# Altium PCB BetaPCB.PcbDoc (part 1 of 2) (continued)
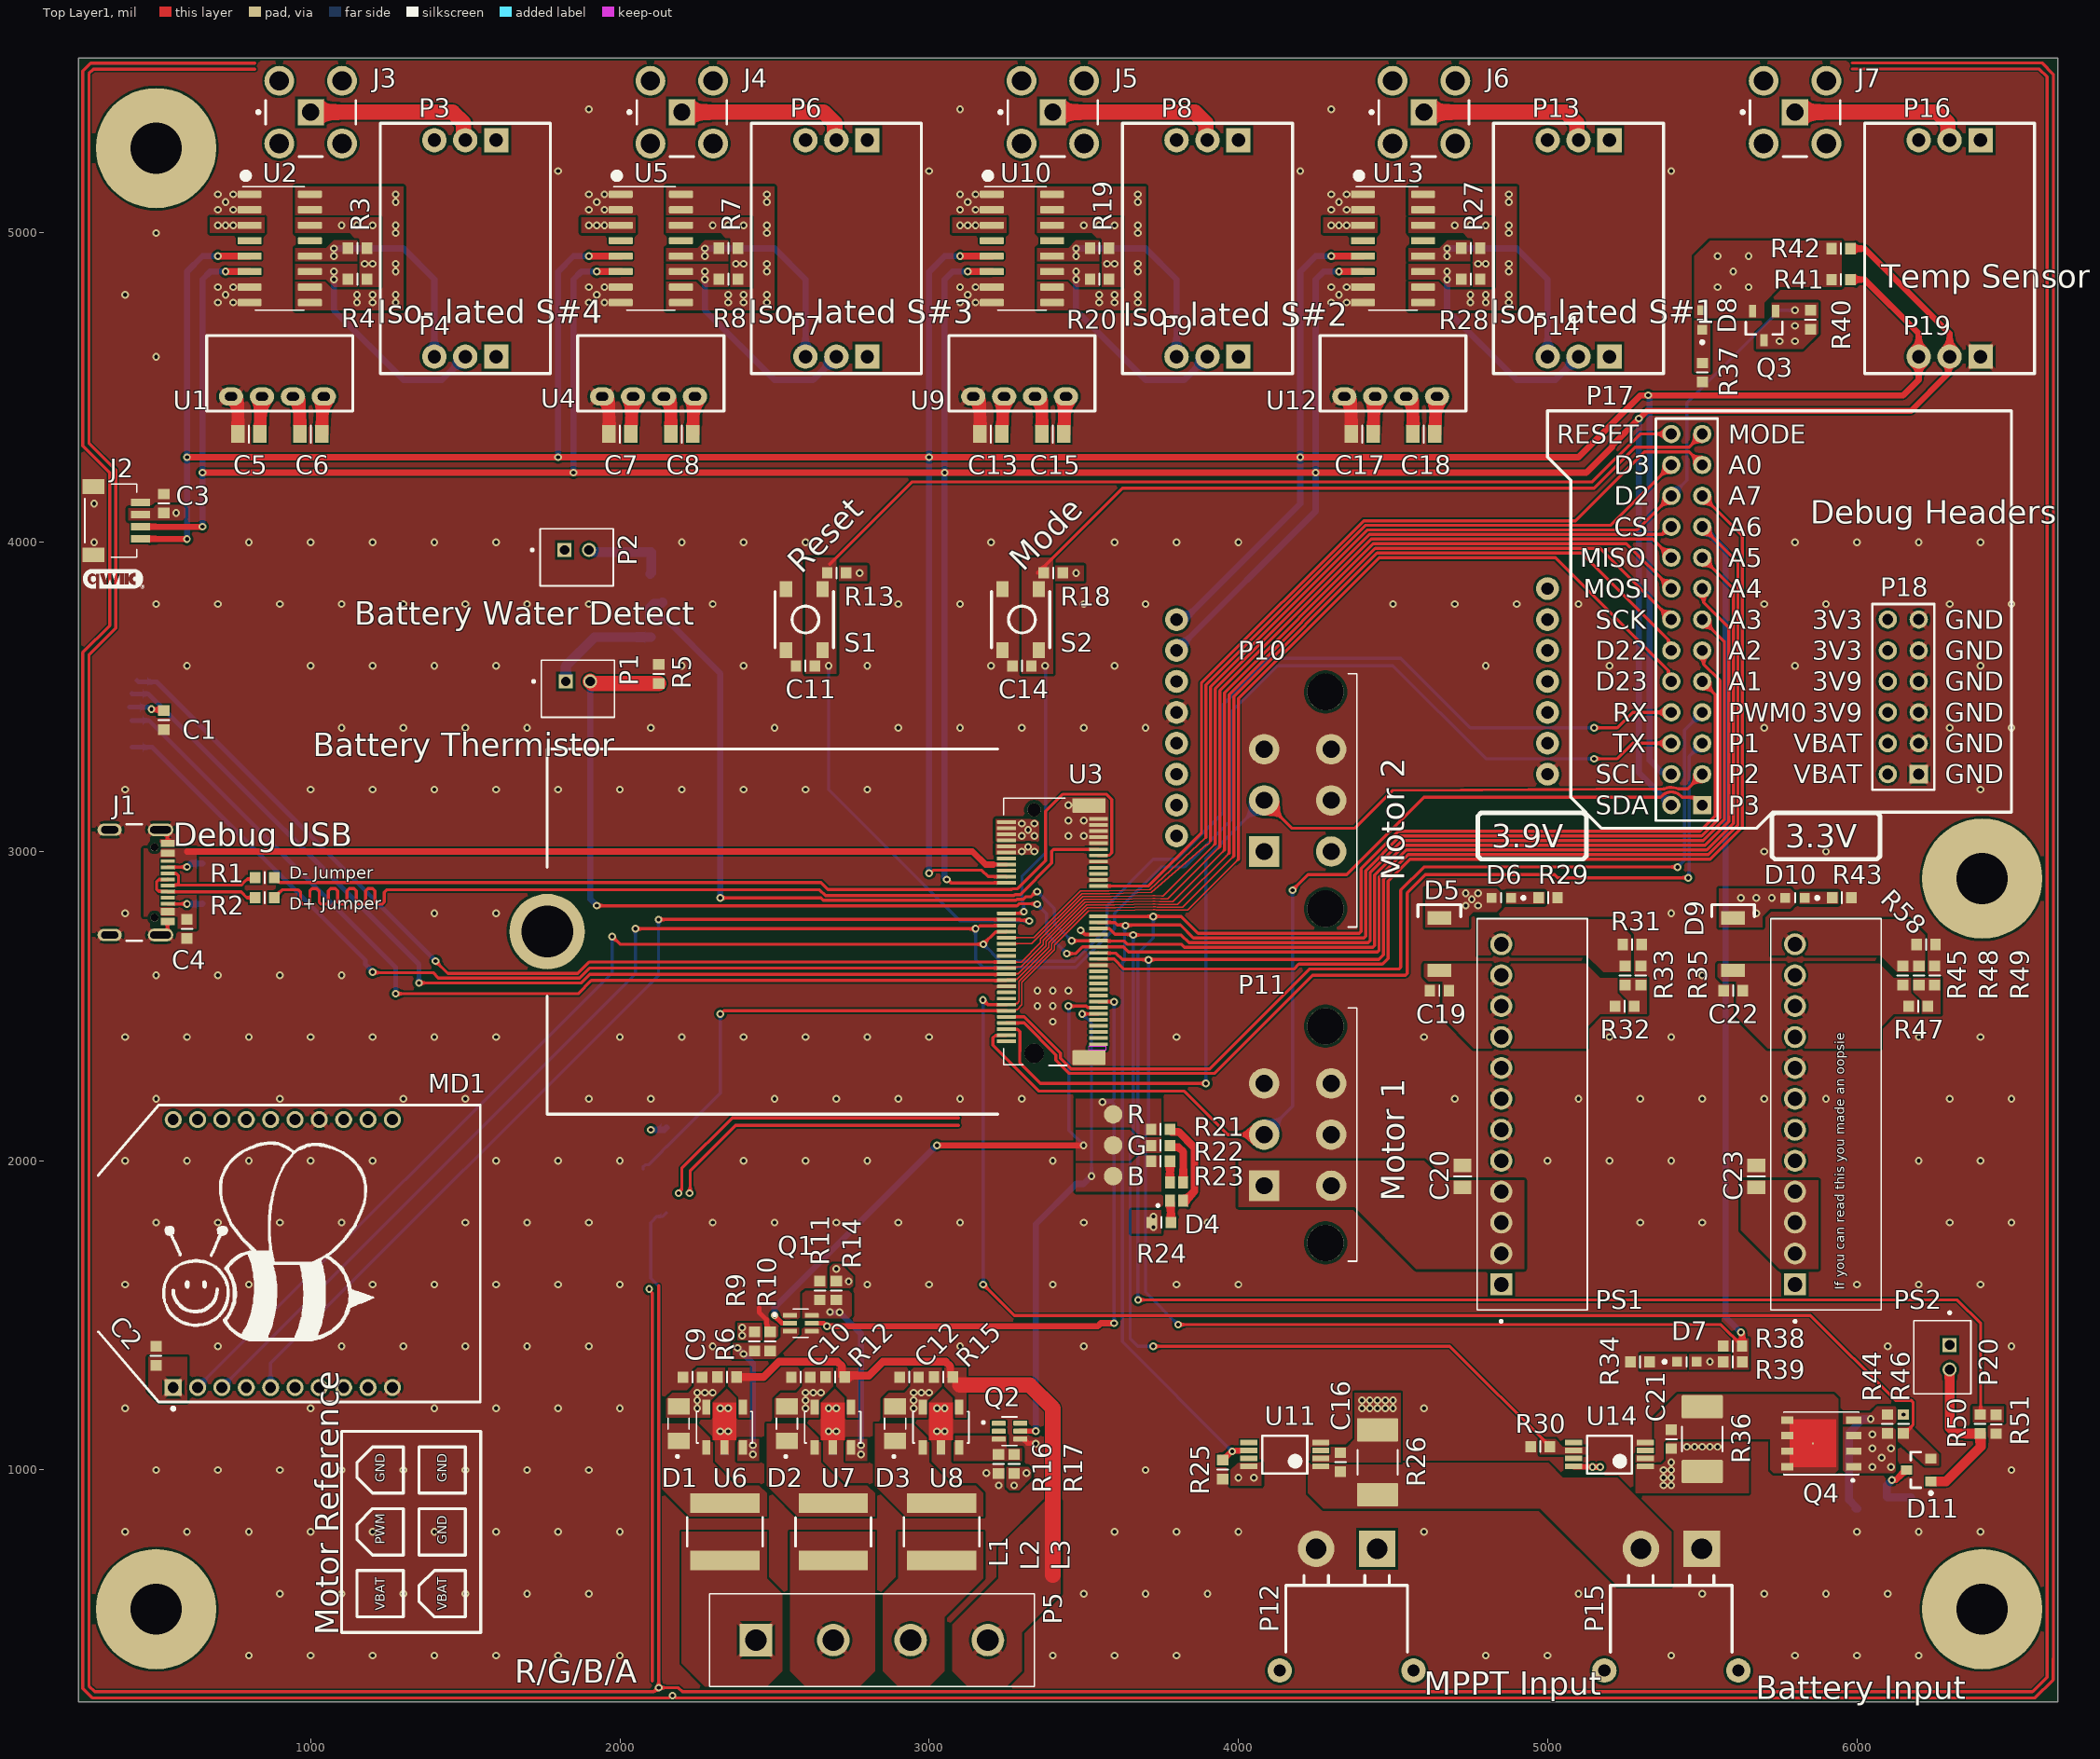
[diagram p0: Top Layer1 view]
## Components (designator, comment, footprint, x,y, rotation, side; value= is the part's Value field where it differs from the comment) (continued)
R24 "Resistor" "0603 Resistor" 3750,1800 r0 top value=0R (schematic designator R46)
R25 "Resistor" "0603 Resistor" 3950,1000 r90 top value=20k (schematic designator R20)
R26 "Resistor" RESC6331X70N 4450,1025 r270 top value=10m (schematic designator R18)
R27 "Resistor" "0603 Resistor" 4750,4950 r0 top value=10k (schematic designator R26)
R28 "Resistor" "0603 Resistor" 4750,4850 r0 top value=10k (schematic designator R27)
R29 "Resistor" "0603 Resistor" 5000,2850 r0 top value=330R (schematic designator R47)
R30 "Resistor" "0603 Resistor" 4975,1075 r0 top value=100k (schematic designator R12)
R31 "Resistor" "0603 Resistor" 5275,2700 r180 top value=113k
R32 "Resistor" "0603 Resistor" 5250,2500 r180 top value=75k (schematic designator R19)
R33 "Resistor" "0603 Resistor" 5250,2600 r270 top value=10k (schematic designator R21)
R34 "Resistor" "0603 Resistor" 5300,1350 r180 top value=5.1k (schematic designator R30)
R35 "Resistor" "0603 Resistor" 5301,2600 r270 top value=32.8k (schematic designator R22)
R36 "Resistor" RESC6331X70N 5500,1100 r90 top value=1m (schematic designator R8)
R37 "Resistor" "0603 Resistor" 5500,4550 r270 top value=330R (schematic designator R49)
R38 "Resistor" "0603 Resistor" 5597,1400 r0 top value=20k (schematic designator R17)
R39 "Resistor" "0603 Resistor" 5600,1350 r180 top value=100k (schematic designator R14)
R40 "Resistor" "0603 Resistor" 5850.63,4718.03 r90 top value=50k (schematic designator R48)
R41 "Resistor" "0603 Resistor" 5950,4850 r180 top value=10k (schematic designator R37)
R42 "Resistor" "0603 Resistor" 5950,4950 r180 top value=10k (schematic designator R36)
R43 "Resistor" "0603 Resistor" 5950,2850 r0 top value=330R (schematic designator R31)
R44 "Resistor" "0603 Resistor" 6098,1150 r270 top value=50k (schematic designator R5)
R45 "Resistor" "0603 Resistor" 6148,2600 r270 top value=DNP (schematic designator R6)
R46 "Resistor" "0603 Resistor" 6150,1150 r270 top value=10k (schematic designator R13)
R47 "Resistor" "0603 Resistor" 6200,2500 r180 top value=DNP (schematic designator R7)
R48 "Resistor" "0603 Resistor" 6200,2600 r270 top value=DNP (schematic designator R10)
R49 "Resistor" "0603 Resistor" 6251,2600 r270 top value=DNP (schematic designator R15)
R50 "Resistor" "0603 Resistor" 6398,1150 r270 top value=75k (schematic designator R9)
R51 "Resistor" "0603 Resistor" 6451,1147 r90 top value=20k (schematic designator R11)
R52 "Resistor" "0603 Resistor" 2150,1800 r90 bottom value=50k (schematic designator R55)
R53 "Resistor" "0603 Resistor" 2150,2075 r90 bottom value=50k
R54 "Resistor" "0603 Resistor" 2100,4000 r270 bottom value=50k (schematic designator R56)
R55 "Resistor" "0603 Resistor" 2100,3725 r270 bottom value=50k (schematic designator R54)
R56 "Resistor" "0603 Resistor" 650,2800 r90 bottom value=5.1k (schematic designator R4)
R57 "Resistor" "0603 Resistor" 649.37,2929.45 r90 bottom value=5.1k (schematic designator R3)
R58 "Resistor" "0603 Resistor" 6225,2700 r180 top value=DNP
R59 "Resistor" "0603 Resistor" 6174.37,879.45 r90 bottom value=10k
S1 "Switch Normally Opened" TL3313AF250QG 2600,3750 r90 top
S2 "Switch Normally Opened" TL3313AF250QG 3300,3750 r90 top
U1 "B0303S-1WR3" B0303S-1WR3 900,4550 r0 top (schematic designator U17)
U2 "MAX14933ASE+T" SOIC127P600X175-16N 900,4950 r0 top (schematic designator U16)
U3 "B402" "B402 Full" 3339.57,2740.94 r270 top (schematic designator U1)
U4 "B0303S-1WR3" B0303S-1WR3 2100,4550 r0 top (schematic designator U15)
U5 "MAX14933ASE+T" SOIC127P600X175-16N 2100,4950 r0 top (schematic designator U14)
U6 "AL8861Y-13" CONV_AL8861Y-13 2339.99,1150 r90 top (schematic designator U7)
U7 "AL8861Y-13" CONV_AL8861Y-13 2689.99,1150 r90 top (schematic designator U8)
U8 "AL8861Y-13" CONV_AL8861Y-13 3039.99,1150 r90 top (schematic designator U9)
U9 "B0303S-1WR3" B0303S-1WR3 3300,4550 r0 top (schematic designator U13)
U10 "MAX14933ASE+T" SOIC127P600X175-16N 3300,4950 r0 top (schematic designator U12)
U11 "INA139" INA139-Q1 4150,1050 r180 top (schematic designator U5)
U12 "B0303S-1WR3" B0303S-1WR3 4500,4550 r0 top (schematic designator U11)
U13 "MAX14933ASE+T" SOIC127P600X175-16N 4500,4950 r0 top (schematic designator U10)
U14 "INA139" INA139-Q1 5200,1050 r180 top (schematic designator U3)
U15 "U-Blox NEO-M8U Breakout" "U-Blox NEO-M8U" 3750,2500 r90 bottom (schematic designator U18)

## Footprints (in the part's own frame and the unit in brackets; to place one, negate y for a bottom-side part, rotate by r counter-clockwise, add the part's x,y. Pads: shape width x height; smd on the part's side, far side on the other; paste and mask are expansions set on the pad)
"1x3 Header" [mm] "Connector; Header; 3 Position"
  rect 2x2 hole 1.1: 1(0,0)
  round 2 hole 1.1: 2(2.54,0) 3(5.08,0)
  body extent -1.27,-1.27 6.35,1.27, height 7.01
"0603 Resistor" [mm]
  rect 0.87x0.93 smd: 1(-0.748,0.016) 2(0.812,0.016)
  silkscreen extent 0.03,-0.43 0.03,0.46, body extent -0.8,-0.4 0.8,0.4, height 0.45
ANTC1608X90N [mm]
  rect 0.87x0.93 smd: 1(-0.78,0) 2(0.78,0)
  silkscreen extent 0,-0.44 0,0.44, body extent -0.8,-0.44 0.8,0.46, height 0.81
B0303S-1WR3 [mm]
  oval 2x1.5 hole 0.7 slot 1 at 0 deg: 1(-4,-2) 2(-1.46,-2) 3(1.08,-2) 4(3.62,-2)
  silkscreen extent -6,-3.2 6,3, body extent -6,-3 6,3, height 10
"B402 Full" [mm]
  rrect15% 0.3x1.55 smd: 1(-9.25,5.275) 2(-9,-2.275) 3(-8.75,5.275) 4(-8.5,-2.275) 5(-8.25,5.275) 6(-8,-2.275) 7(-7.75,5.275) 8(-7.5,-2.275) 9(-7.25,5.275) 10(-7,-2.275) 11(-6.75,5.275) 12(-6.5,-2.275) 13(-6.25,5.275) 14(-6,-2.275) 15(-5.75,5.275) 16(-5.5,-2.275) 17(-5.25,5.275) 18(-5,-2.275) 19(-4.75,5.275) 20(-4.5,-2.275) 21(-4.25,5.275) 22(-4,-2.275) 23(-3.75,5.275) 32(-1.5,-2.275) 33(-1.25,5.275) 34(-1,-2.275) 35(-0.75,5.275) 36(-0.5,-2.275) 37(-0.25,5.275) 38(0,-2.275) 39(0.25,5.275) 40(0.5,-2.275) 41(0.75,5.275) 42(1,-2.275) 43(1.25,5.275) 44(1.5,-2.275) 45(1.75,5.275) 46(2,-2.275) 47(2.25,5.275) 48(2.5,-2.275) 49(2.75,5.275) 50(3,-2.275) 51(3.25,5.275) 52(3.5,-2.275) 53(3.75,5.275) 54(4,-2.275) 55(4.25,5.275) 56(4.5,-2.275) 57(4.75,5.275) 58(5,-2.275) 59(5.25,5.275) 60(5.5,-2.275) 61(5.75,5.275) 62(6,-2.275) 63(6.25,5.275) 64(6.5,-2.275) 65(6.75,5.275) 66(7,-2.275) 67(7.25,5.275) 68(7.5,-2.275) 69(7.75,5.275) 70(8,-2.275) 71(8.25,5.275) 72(8.5,-2.275) 73(8.75,5.275) 74(9,-2.275) 75(9.25,5.275)
  round 6.2 hole 4.25: Mech(0,-40)
  rrect15% 1.2x2.75 smd: S1(-10.35,4.5) S2(10.35,4.5)
  round 1.1 hole 1.1 unplated: ""(-10,0)
  round 1.6 hole 1.6 unplated: ""(10,0)
  silkscreen extent -15,-40 15,2.7, body extent -15,-40 15,5.85, height 6.2
CAPC2012X145N [mm]
  rect 1.11x1.47 smd: 1(-0.9,0) 2(0.9,0)
  silkscreen extent 0,-0.71 0,0.71, body extent -1,-0.72 1,0.73, height 1.26
CONV_AL8861Y-13 [mm]
  rect 1.2x0.68 smd: 1(-1.945,1.543) 3(-1.945,-1.457) 4(1.355,-1.457) 5(1.355,1.543)
  rect 1.2x0.68 smd paste-2 mask+0: 2(-1.945,0.043)
  Top Layer1 region: 1.705,-0.922 -1.345,-0.922 -1.345,-0.297 -2.545,-0.297 -2.545,0.383 -1.345,0.383 -1.345,1.008 1.705,1.008
  silkscreen extent -1.59,-2.26 1.01,2.34, body extent -2.25,-2.25 2.25,2.25, height 1.55
CONV_K7803-3AR3 [mm]
  rect 1.8x1.8 hole 1.2: 1(-13.97,2.545)
  round 1.8 hole 1.2: 2(-11.43,2.545) 3(-8.89,2.545) 4(-6.35,2.545) 5(-3.81,2.545) 6(-1.27,2.545) 7(1.27,2.545) 8(3.81,2.545) 9(6.35,2.545) 10(8.89,2.545) 11(11.43,2.545) 12(13.97,2.545)
  silkscreen extent -17.1,-4.52 16.07,4.52
DIO_SS26FL [mm]
  rect 1.34x1.8 smd: 1(-1.43,0) 2(1.43,0)
  silkscreen extent -2.8,-0.86 0.44,0.86, body extent -1.93,-0.9 1.93,0.9, height 1.35
FP-150060RS75000-MFG [mm]
  rect 0.8x0.8 smd paste+0 mask+0: 1(-0.8,0) 2(0.8,0)
  silkscreen extent -1.95,-0.12 -1.7,0.12, body extent -1.3,-0.55 1.3,0.55, height 0.25
FP-NR6028-MFG [mm]
  rect 1.6x5.7 smd paste+0 mask+0: 1(-2.35,0) 2(2.35,0)
  silkscreen extent -1.17,-3.1 1.17,3.1, body extent -3.25,-3.2 3.25,3.2, height 0.25
FP-PCB_SMAFRA_HT-MFG [mm]
  rect 2.15x2.15 hole 1.4 paste-1000 mask+0: 1(0,-4.05)
  round 2.45 hole 1.6 paste-1000 mask+0: 2(-2.575,-1.475) 3(2.575,-1.475) 4(-2.575,-6.625) 5(2.575,-6.625)
  silkscreen extent -4.42,-7.7 3.7,-3.08, body extent -3.9,-7.95 3.9,7.8, height 0.25
FP-XBP9B-DMUTB002-MFG [mm]
  rect 1.4x1.4 hole 0.9 paste-1000 mask+0: 1(-11,8.75)
  round 1.4 hole 0.9 paste-1000 mask+0: 2(-11,6.75) 3(-11,4.75) 4(-11,2.75) 5(-11,0.75) 6(-11,-1.25) 7(-11,-3.25) 8(-11,-5.25) 9(-11,-7.25) 10(-11,-9.25) 11(11,-9.25) 12(11,-7.25) 13(11,-5.25) 14(11,-3.25) 15(11,-1.25) 16(11,0.75) 17(11,2.75) 18(11,4.75) 19(11,6.75) 20(11,8.75)
  silkscreen extent -12.86,-16.47 12.19,14.92, body extent -12.29,-16.57 12.29,16.57, height 0.25
GCT_MEM2051-00-195-00-A [mm]
  rect 0.8x1.5 smd: 1(1.94,-3.66) 2(0.84,-3.26) 3(-0.26,-3.66) 4(-1.36,-3.86) 5(-2.46,-3.66) 6(-3.56,-3.86) 7(-4.66,-3.66) 8(-5.76,-3.66)
  rect 1x0.95 smd: 9(-3.56,7.425)
  rect 1.3x1.4 smd: P1(-4.95,7.2) P2(0.75,7.2)
  rect 1.4x1.778 smd mask+0.025: P3(6.6,-6.95)
  rect 1.4x1.778 smd mask+0.051: P4(-6.55,-5.95)
  silkscreen extent -7,-7.6 7,7.6, body extent -6.98,-7.65 7.12,7.65, height 1.96
GCT_USB4105-GF-A [mm]
  rect 0.6x1.15 smd: A1_B12(-3.2,4.755) A4_B9(-2.4,4.755) B1_A12(3.2,4.755) B4_A9(2.4,4.755)
  rect 0.3x1.15 smd: A5(-1.25,4.755) A6(-0.25,4.755) A7(0.25,4.755) A8(1.25,4.755) B5(1.75,4.755) B6(0.75,4.755) B7(-0.75,4.755) B8(-1.75,4.755)
  oval 1.05x2.1 hole 0.6 slot 1.7 at 90 deg: S1(-4.32,4.18) S4(4.32,4.18)
  oval 1x2 hole 0.6 slot 1.4 at 90 deg: S2(-4.32,0) S3(4.32,0)
  round 0.65 hole 0.65 unplated: ""(-2.89,3.68) ""(2.89,3.68)
  silkscreen extent -4.79,1.4 4.79,2.65, body extent -4.79,-2.6 4.79,5.11, height 3.32
HDR2X6 [mm] "Connector; Header; 6x2 Position"
  rect 1.5x1.5 hole 0.9: 1(0,0)
  round 1.5 hole 0.9: 2(0,2.54) 3(2.54,0) 4(2.54,2.54) 5(5.08,0) 6(5.08,2.54) 7(7.62,0) 8(7.62,2.54) 9(10.16,0) 10(10.16,2.54) 11(12.7,0) 12(12.7,2.54)
  silkscreen extent -1.27,-1.27 13.97,3.81
HDR2X13 [mm] "Connector; Header; 13x2 Position"
  rect 1.5x1.5 hole 0.9: 1(0,0)
  round 1.5 hole 0.9: 2(0,2.54) 3(2.54,0) 4(2.54,2.54) 5(5.08,0) 6(5.08,2.54) 7(7.62,0) 8(7.62,2.54) 9(10.16,0) 10(10.16,2.54) 11(12.7,0) 12(12.7,2.54) 13(15.24,0) 14(15.24,2.54) 15(17.78,0) 16(17.78,2.54) 17(20.32,0) 18(20.32,2.54) 19(22.86,0) 20(22.86,2.54) 21(25.4,0) 22(25.4,2.54) 23(27.94,0) 24(27.94,2.54) 25(30.48,0) 26(30.48,2.54)
  silkscreen extent -1.27,-1.27 31.75,3.81
INA139-Q1 [mm] "TSOP, 8-Leads, Body 3.00x4.40mm, Pitch 0.65mm, IPC Medium Density"
  rect 1.4x0.45 smd mask+0.127: 1(-2.95,0.975) 2(-2.95,0.325) 3(-2.95,-0.325) 4(-2.95,-0.975) 5(2.95,-0.975) 6(2.95,-0.325) 7(2.95,0.325) 8(2.95,0.975)
  silkscreen extent -1.85,-1.55 1.85,1.55, body extent -2.25,-1.55 2.25,1.55, height 0.25
JST_SM04B-SRSS-TB(LF)(SN) [mm]
  rect 0.6x1.55 smd: 1(-1.5,0) 2(-0.5,0) 3(0.5,0) 4(1.5,0)
  rect 1.2x1.8 smd: S1(-2.8,-3.875) S2(2.8,-3.875)
  silkscreen extent -3,-4.72 5.57,0.31, body extent -3.05,-4.51 2.95,0.44, height 2.96
LED_CLMVC-FKA-CL1D1L71BB7C3C3 [mm]
  rect 1x0.8 smd: 1(-0.75,0.55) 2(0.75,0.55) 3(0.75,-0.55) 4(-0.75,-0.55)
  silkscreen extent -1.24,1.42 -1.04,1.62, body extent -1,-1 1,1, height 0.5
ONSC-SOT-23-3-318-08_V [mm] "SOT23, 3-Leads, Body 2.92x1.3mm, Pitch 0.95mm"
  rect 0.9x0.8 smd: 1(-1,0.95) 2(-1,-0.95) 3(1,0)
  silkscreen extent -1.13,-1.46 0.65,2.02, body extent -0.65,-1.46 0.65,1.46, height 1.11
RESC6331X70N [mm]
  rrect7% 1.9x3.37 smd: 1(-2.66,0) 2(2.66,0)
  silkscreen extent -1.02,-1.65 1.02,1.65, body extent -3.18,-1.58 3.18,1.58, height 0.75
SIR165DP [mm]
  rect 1.27x0.61 smd: 1(-2.67,1.905) 2(-2.67,0.635) 3(-2.67,-0.635) 4(-2.67,-1.905)
  rect 1.02x0.61 smd: 5(2.795,-1.905) 6(2.795,-0.635) 7(2.795,0.635) 8(2.795,1.905)
  rect 0.15x0.15 smd paste+1.125 mask+1.88: 9(0.69,0)
  Top Layer1 region: 2.595,-1.955 -1.215,-1.955 -1.215,1.955 2.595,1.955
  silkscreen extent -3.08,-2.58 3.08,3.14, body extent -3.07,-2.58 3.07,2.58, height 1.12
SODFL470X110-2N [mm] "SODFL, 2-Leads, Body 2.50x4.70mm, IPC Medium Density"
  rect 1.1x1.95 smd: 1(2.15,0) 2(-2.15,0)
  silkscreen extent -3.25,-1.75 -2.25,1.75, body extent -2.35,-1.35 2.35,1.35, height 1.1
SOIC127P600X175-16N [mm]
  rrect25% 1.97x0.59 smd: 1(-2.475,4.445) 2(-2.475,3.175) 3(-2.475,1.905) 4(-2.475,0.635) 5(-2.475,-0.635) 6(-2.475,-1.905) 7(-2.475,-3.175) 8(-2.475,-4.445) 9(2.475,-4.445) 10(2.475,-3.175) 11(2.475,-1.905) 12(2.475,-0.635) 13(2.475,0.635) 14(2.475,1.905) 15(2.475,3.175) 16(2.475,4.445)
  silkscreen extent -3.05,-5.06 2.03,6.22, body extent -3,-4.95 3,4.95, height 1.75
SOT23-3 [mm] "SOT23, 3-Leads, Body 2.92x2.45mm, Pitch 0.95mm, IPC Medium Density"
  rect 1x0.6 smd: 1(-1.2,0.95) 2(-1.2,-0.95) 3(1.2,0)
  silkscreen extent -0.3,-1.5 0.7,1.5, body extent -0.7,-1.52 0.7,1.52, height 1.1
SOT65P210X110-6N [mm]
  rrect25% 1.15x0.4 smd: 1(-0.89,0.65) 2(-0.89,0) 3(-0.89,-0.65) 4(0.89,-0.65) 5(0.89,0) 6(0.89,0.65)
  silkscreen extent -2.26,-1.17 0.63,1.17, body extent -1.11,-1 1.11,1, height 1.2
TE_6-440054-2 [mm]
  rect 1.15x1.15 hole 0.8: 1(0,0)
  round 1.15 hole 0.8: 2(2.007,0)
  silkscreen extent -2.75,-2.95 4.01,1.75, body extent -1.98,-2.92 4.02,1.78, height 6.06
TE_350761-4 [mm]
  rect 2.67x2.67 hole 1.78: 1(0,0)
  round 2.67 hole 1.78: 2(0,-6.35) 3(0,-12.7) 4(0,-19.05)
  silkscreen extent -3.81,-22.86 3.81,3.81, body extent -5.08,-25.4 3.81,6.35, height 14.83
TE_1586039-6 [mm]
  rect 2.5x2.5 hole 1.4: 1(0,0)
  round 2.5 hole 1.4: 2(0,-5.5) 3(4.2,0) 4(4.2,-5.5) 5(8.4,0) 6(8.4,-5.5)
  round 3 hole 3 unplated: ""(-4.7,-5.04) ""(13.1,-5.04)
  silkscreen extent -6.2,-7.63 14.6,-6.91, body extent -5.84,-8.9 14.26,2.05, height 12.81
TL3313AF250QG [mm] "Switch"
  rect 1.3x1 smd: 1(-2.5,-1.4) 1(2.5,-1.4) 2(-2.5,1.6) 2(2.5,1.6)
  silkscreen extent -2.3,-2.3 2.3,2.5, body extent -3,-2.2 3,2.4, height 1.4
"U-Blox NEO-M8U" [mil]
  round 74 hole 40: 1(1250,50) 2(1150,50) 3(1050,50) 4(950,50) 5(850,50) 6(750,50) 7(650,50) 8(550,50) 9(750,1250) 10(850,1250) 11(950,1250) 12(1050,1250) 13(1150,1250) 14(1250,1250) 15(1350,1250)
  silkscreen extent 0,0 1600,1400, body extent 500,0 1400,1300, height 335
XT30_Horizontal [mm]
  rect 3x3 hole 1.7: 1(-2.5,-7.5)
  round 3 hole 1.7: 2(2.5,-7.5)
  round 2 hole 1: MECH(-5.5,2.5) MECH(5.5,2.5)
  silkscreen extent -5,-5.3 5,1, body extent -6.65,-8.45 6.65,5.5, height 5.01

## Part data
D1 D2 D3 D5 D9: library part "Shottky Diode", "Shottky Diode", AF=1, BV=0, BV_MAX=1e99, CJO=0, CJP=0, CTA=0, CTP=0, EG=1.11, FC=0.5, FCS=0.5, FV_MAX=1e99, IBV=0.001, IKF=0, IKR=0, IS=1e-14, ISR=1e-14, JSW=0, JTUN=0, JTUNSW=0, KEG=1, KF=0, LEVEL=1, MJSW=0.33, N=1, NBV=1, NR=1, NS=1, NTUN=30, PHP=1, RS=0, SimulationGenericComponent=True, TCV=0, TLEV=0, TLEVC=0, TM1=0, TM2=0, TNOM=27, TPB=0, TPHP=0, TRS=0, TRS2=0, TT=0, TTT1=0, TTT2=0, VJ=1, XTI=3, XTITUN=3
D4: "Red, Green, Blue (RGB) 622nm Red, 530nm Green, 470nm Blue LED Indication - Discrete 2V Red, 3V Green, 3V Blue 4-SMD, J-Lead", Package="SMD-4 Cree Inc.", Availability=Warning, Check_prices=https://www.snapeda.com/parts/CLMVC-FKA-CL1D1L71BB7C3C3/Cree%20Inc./view-part/3120624/?ref=eda, MF="Cree Inc.", MP=CLMVC-FKA-CL1D1L71BB7C3C3, Price=None, Purchase-URL=https://pricing.snapeda.com/search/part/CLMVC-FKA-CL1D1L71BB7C3C3/?ref=eda, SnapEDA_Link=https://www.snapeda.com/parts/CLMVC-FKA-CL1D1L71BB7C3C3/Cree%20Inc./view-part/3120624/?ref=snap
D6 D7 D8 D10: library part CMP-1426-00001-2, "LED RED CLEAR 0603 SMD", Case Code (Imperial)=0603, Case Code (Metric)=1608, Color=Red, Forward Current=30mA, Forward Voltage=2V, Lens Color=Colorless, Max Operating Temperature=85°C, Min Operating Temperature=-40°C, Package Quantity=1, Test Current=20mA, Case/Package=0603, Dominant Wavelength=625nm, Height=0.8mm, Length=1.6mm, Lens Size=0.7mm, Lens Style=Clear, Lens Transparency=Clear, Luminous Intensity=250mcd, Mount="Surface Mount", Packaging="Cut Tape", RoHS Compliant=Yes, Series=WL-SMCW, Viewing Angle=140°, Wavelength=625nm, Width=0.8mm
D11: library part CMP-1054-00102-1, "Dual High Voltage Common Cathode Switching Diodes, 3-Pin SOT-23, Pb-Free, Tape and Reel", Manufacturer="On Semiconductor", ComponentLink1Description="Manufacturer URL", ComponentLink1URL=http://www.onsemi.com/, ComponentLink2Description=Datasheet, ComponentLink2URL=http://www.onsemi.com/pub_link/Collateral/BAV23CLT1-D.PDF, ComponentLink3Description="Package Specification", ComponentLink3URL=http://www.onsemi.cn/pub_link/Collateral/318-08.PDF, Configuration="Common Cathode", DatasheetVersion="Rev. 2", IF Max (A)=0.4, Mounting Technology="Surface Mount", PackageDescription="3-Pin Small Outline Transistor, Body 2.92 x 1.3 mm, Pitch 0.95 mm", PackageReference=SOT-23-3-318-08, PackageVersion="Rev. AP, 11/2009", Packing="Tape and Reel", PartNumber=BAV23CLT1G, RoHS=TRUE, trr Max (ns)=150
J1: "USB-C (USB TYPE-C) USB 2.0 Receptacle Connector 24 (16+8 Dummy) Position Surface Mount, Right Angle; Through Hole", Package=None, Availability=Unavailable, MP=USB4105-GF-A, Price=None
J2: library part SM04B-SRSS-TB(LF)(SN), "SH Series 1.0 mm Pitch 2 Position Single Row Side Entry Shrouded Header", Package=None, Availability=Unavailable, MP=SM04B-SRSS-TB(LF)(SN), Price=None
J3 J4 J5 J6 J7: library part CMP-111093-000003-1, "CONN SMA JACK R/A 50OHM PCB", Case/Package=SMA, Dielectric Material=PTFE, Frequency=6GHz, Housing Color=Gold, Operating Frequency="0 to 6 GHz", Package Quantity=500, Voltage Rating=500V, Body Material=Brass, Body Plating=Gold, Center Contact Plating=Gold, Connector Type=SMA, Contact Material=Brass, Contact Plating=Gold, Fastening Type=Threaded, Impedance=50R, Max Frequency=6GHz, Mount="Through Hole", Number of Ports=1, Orientation="Right Angle", Packaging=Tray, Series=-, Termination=Solder
J8: library part MEM2051-00-195-00-A, "9 (8 + 1) Position Card Connector microSDâ„¢ Surface Mount, Right Angle Gold, 1.95mm profile, Normally open switch, Push push, Top mount", Package=None, Availability=Warning, Check_prices=https://www.snapeda.com/parts/MEM2051-00-195-00-A/Global%20Connector%20Technology/view-part/779220/?ref=eda, MF="Global Connector Technology", MP=MEM2051-00-195-00-A, Price=None, Purchase-URL=https://pricing.snapeda.com/search/part/MEM2051-00-195-00-A/?ref=eda, SnapEDA_Link=https://www.snapeda.com/parts/MEM2051-00-195-00-A/Global%20Connector%20Technology/view-part/779220/?ref=snap
L1 L2 L3: library part CMP-14484-001005-1, "SMD Power Inductors 100uH ±20% 0.62A 0.78Ω", Case/Package=Nonstandard, Current Rating=660mA, DC Resistance (DCR)=780mR, Inductance=100uH, Inductance Tolerance=20%, Max Operating Temperature=120°C, Min Operating Temperature=-25°C, Package Quantity=2000, Resistor Type=Wirewound, Saturation Current=620mA, Self Resonant Frequency=3MHz, Test Frequency=100kHz, Core Material=Ferrite, Halogen Free="Halogen Free", Height=2.8mm, Height - Seated (Max)=0.11inch, Lead Free="Lead Free", Length=0.236inch, Max DC Current=660mA, Mount="Surface Mount", Number of Pins=2, Packaging="Tape and Reel", RMS Current (Irms)=660mA, RoHS Compliant=Yes, Series=NR, Shielding=Shielded, Termination=SMD/SMT, Tolerance=20%, Width=0.236inch
MD1: library part CMP-84319-000004-1, "RX TXRX MOD ISM < 1GHZ U.FL TH", Case/Package=Module, Current - Receiving=29mA, Current - Transmitting=215mA, Frequency=900MHz, Max Frequency=928MHz, Max Operating Temperature=85°C, Max Supply Voltage=3.6V, Min Frequency=902MHz, Min Operating Temperature=-40°C, Min Supply Voltage=2.4V, Output Power (dBm)=24dBm, Package Quantity=1, Data Rate=200Kbps, Interface=SPI, Memory Size=2KB, Number of Pins=20, Packaging=Bulk, Radiation Hardening=No, RAM Size=2KB, Sensitivity=-101dBm, Series=XBee-Pro™
P1 P2 P12 P15 P20: library part "Header 2", "Header, 2-Pin", LatestRevisionDate=17-Jul-2002, LatestRevisionNote="Re-released for DXP Platform.", Publisher="Altium Limited"
P3 P4 P6 P7 P8 P9 P13 P14 P16 P19: library part "Header 3", "Header, 3-Pin", LatestRevisionDate=17-Jul-2002, LatestRevisionNote="Re-released for DXP Platform.", Publisher="Altium Limited"
P5: library part "Header 4", "Header, 4-Pin", LatestRevisionDate=17-Jul-2002, LatestRevisionNote="Re-released for DXP Platform.", Publisher="Altium Limited"
P10 P11: library part "Header 6", "Header, 6-Pin", LatestRevisionDate=17-Jul-2002, LatestRevisionNote="Re-released for DXP Platform.", Publisher="Altium Limited"
P17: "Header, 13-Pin, Dual row", LatestRevisionDate=17-Jul-2002, LatestRevisionNote="Re-released for DXP Platform.", Publisher="Altium Limited"
P18: library part "Header 6X2", "Header, 6-Pin, Dual row", LatestRevisionDate=17-Jul-2002, LatestRevisionNote="Re-released for DXP Platform.", Publisher="Altium Limited"
PS1 PS2: "Non-Isolated PoL Module DC DC Converter 1 Output 3.3V - - - 3A 8V - 36V Input", Package="SIP-12-12 MORNSUN", Check_prices=https://www.snapeda.com/parts/K7803-3AR3/MORNSUN/view-part/?ref=eda, Digi-Key_Part_Number=2725-K7803-3AR3-ND, MF="Mornsun America, LLC", MP=K7803-3AR3, Purchase-URL=https://pricing.snapeda.com/search/part/K7803-3AR3/?ref=eda, SnapEDA_Link=https://www.snapeda.com/parts/K7803-3AR3/MORNSUN/view-part/?ref=snap
Q1 Q2: "60V, 0.22A, Dual N-Channel Power MOSFET", Package=None, Availability="In Stock", Check_prices=https://www.snapeda.com/parts/TSM2N7002KDCU6%20RFG/Taiwan+Semiconductor/view-part/?ref=eda, MF="Taiwan Semiconductor", MP="TSM2N7002KDCU6 RFG", Price=None, SnapEDA_Link=https://www.snapeda.com/parts/TSM2N7002KDCU6%20RFG/Taiwan+Semiconductor/view-part/?ref=snap
Q3: "P-Channel MOSFET"
Q4: "MOSFET P-CH 30V 60A PPAK SO-8", Package="SO-8 Vishay", Supplier Part Number 1=81AC2789, Availability="In Stock", Check_prices=https://www.snapeda.com/parts/SI7463DP/Vishay/view-part/2773444/?ref=eda, MF=Vishay, MP=SI7463DP, Price=None, Purchase-URL=https://pricing.snapeda.com/search/part/SI7463DP/?ref=eda, SnapEDA_Link=https://www.snapeda.com/parts/SI7463DP/Vishay/view-part/2773444/?ref=snap, Supplier 1=Newark
Q5 Q6 Q7: library part MOSFET-N, "N-Channel MOSFET", LatestRevisionDate=17-Jul-2002, LatestRevisionNote="Re-released for DXP Platform.", PackageDescription="TO, Flat Index; 3 In-Line, Axial Leads; Body Dia. 4.6mm; Lead Dia. 0.5 mm (max)", PackageReference=E3, PackageVersion=1995/1996, Published=8-Jun-2000, Publisher="Altium Limited"
S1 S2: library part "SW NO", closed=0, Rclosed=1m, Ropen=1Meg, SimulationGenericComponent=True
U1 U4 U9 U12: "3V3 Isolator"
U2 U5 U10 U13: Package=None, Availability=Unavailable, MP=MAX14933ASE+T, Price=None
U3: "Connector, Backplane, Housing, Receptacle, 67 Position, 2row", Package=None, Supplier Part Number 1="Particle B402", Availability=Unavailable, MP=2199230-4, Price=None, Supplier 1=Digi-Key
U6 U7 U8: "LED Driver IC 1 Output DC DC Regulator Step-Down _Buck_ Analog, PWM Dimming 1.5A SOT-89-5", Package="SOT-89 Diodes Inc.", Availability=Unavailable, MF="Diodes Inc.", MP=AL8861Y-13, Price=None, SnapEDA_Link=https://www.snapeda.com/parts/AL8861Y-13/Diodes%20Inc./view-part/1241445/?ref=snap
U11 U14: "Current Monitor Regulator High-Side SOT-23-5", Package="SOT-23-5 Texas Instruments", Availability=Unavailable, MF="Texas Instruments", MP=INA139, Price=None, SnapEDA_Link=https://www.snapeda.com/parts/INA139/Texas%20Instruments/view-part/560986/?ref=snap
U15: "GPS Board"
C1 C2 C3 C4 C5 C6 C7 C8 C9 C10 C11 C12 C13 C14 C15 C16 C17 C18 C19 C20 C21 C22 C23 C24 C25: SimulationGenericComponent=True
R1 R2 R3 R4 R5 R6 R7 R8 R9 R10 R11 R12 R13 R14 R15 R16 R17 R18 R19 R20 R21 R22 R23 R24 R25 R26 R27 R28 R29 R30 R31 R32 R33 R34 R35 R36 R37 R38 R39 R40 R41 R42 R43 R44 R45 R46 R47 R48 R49 R50 R51 R52 R53 R54 R55 R56 R57 R58 R59: SimulationGenericComponent=True, TC1=0, TC2=0

## Free pads (board coordinates)
  round 60 smd: 13(3595,1950) 13(3595,2050) 13(3595,2150)
  round 389 hole 165.35 mask+0: MECH(500,550) MECH(500,5274.41) MECH(6405.51,550) MECH(6405.51,2912.2)

## Via types
v1: diameter 25, hole 13, Top Layer1 to Bottom Layer4, tented both sides, 340 vias
v2: diameter 25, hole 13, Top Layer1 to Bottom Layer4, 260 vias

## Nets (pads, with @x,y where several pads share a name; then routed paths per layer and width w, separated by ;. In a path a pad name is that pad's centre, name@x,y a point inside that pad or via, vN(x,y) a via of type N, cw(c..) or ccw(c..) an arc to the next point about the centre after c; other vN are vias at no path point)
3V3: C1.2 C2.2 C3.2 C25.2 D9.2 D10.2 J2.2 J8.4 MD1.1 P1.1 P2.1 P18.10 P18.12 Q3.3 R9.2 R13.2 R14.2 R17.2 R18.2 R24.1 R40.1 R53.2 R55.2 U3.10 U3.12 U11.8 U14.8 U15.3 U15.11 | length 41425.9
  Top Layer1 w10: 820,5549.5 288.99,5549.5 263,5523.51 263,4312 350,4225 350,3730.51 263,3643.51 263,293.72 293.72,263 2158.94,263 2165.94,270 2174.06,270 2181.06,263 6576.28,263 6635,321.72 6635,390 ; v1(2095,1585) 2095,1581.64 2105,1571.64 2105,318.03 ; v1@2227.13,1897.87 2227.13,1967.13 2374.35,2114.35 3095,2114.35 ; 5985,5550 6598.28,5550 6635.36,5512.92 6635.36,390.36
  Top Layer1 w15: v1(485,3460) 486.91,3458.09 522.62,3458.09 C1.2@525,3455.71 ; U14.8@5083.86,1011.61 U14.8@5084.67,1010.81 ; v1@5144.19,1010.81 v1(5145,1010)
  Top Layer1 w17.72: U14.8@5084.67,1010.81 v1@5144.19,1010.81
  Top Layer1 w20: v1(5145,1010) v1(5170,1010)
  Bottom Layer4 w10: 820,5549.5 288.99,5549.5 263,5523.51 263,4312 350,4225 350,3730.51 263,3643.51 263,293.72 293.72,263 2158.94,263 2165.94,270 2174.06,270 2181.06,263 6576.28,263 6635,321.72 6635,390 6635.36,390.36 6635.36,5512.92 6598.28,5550 5985,5550 ; 2105,318.03 2105,1571.64 ; v1@2222.13,1897.87 v1(2225,1895) ; v1@2227.13,1897.87 2227.13,1967.13 2374.35,2114.35 3095,2114.35
  Bottom Layer4 w15: J8.4@414.57,3466.93 475.36,3466.93 482.29,3460 v1(485,3460)
  Bottom Layer4 w20: v1(2100,2100) 2143.66,2100 R53.2@2150.63,2106.97
  Bottom Layer4 w31.5: P1.1@1825,3550 1825,3600 1918.03,3693.03 R55.2@2099.37,3693.03
  other v1: 2170,270.5 3275,950 4000,975 4050,975 3315,990 2395,1435 2395,1460 2740,1610 2700,1650 3725.5,1785 3725.5,1820 5675,2800 5625,2850 5675,2850 5725,2850 3300,3000 3340,3000 3320,3015 2775,3900 3475,3900 565,4095 5750,4650 5800,4650 5800,4700
3V3_S: C5.1 C7.1 C13.1 C17.1 D8.2 P16.1 Q3.2 R41.2 R42.2 U1.2 U2.3 U4.2 U5.3 U9.2 U10.3 U12.2 U13.3 | length 487.6
  Top Layer1 w39.37: C5.1@835.43,4350 837.6,4352.17 837.6,4466.34 U1.2@842.52,4471.26 ; C7.1@2037.6,4352.17 2037.6,4466.34 U4.2@2042.52,4471.26 ; C13.1@3237.6,4352.17 3237.6,4466.34 U9.2@3242.52,4471.26 ; C17.1@4437.6,4352.17 4437.6,4466.34 U12.2@4442.52,4471.26
  other v1: 5550,4825 5650,4825 5600,4875 5550,4925 5650,4925 700,5025 725,5025 750,5025 1900,5025 1925,5025 1950,5025 3100,5025 3125,5025 3150,5025 4300,5025 4325,5025 4350,5025
3V8: C24.2 D5.2 D6.2 P18.6 P18.8 U3.2 U3.4 U3.6 U3.8
  other v1: 4735,2825 4775,2825 4755,2845 4735,2865 4775,2865 3300,3050 3340,3050 3320,3070 3300,3090 3340,3090
A0: P17.23 U3.23 | length 2835.8
  Top Layer1 w10: U3.23@3547.24,2888.58 3709.29,2888.58 3880.5,3059.79 3880.5,3544.5 4405.5,4069.5 5090.01,4069.5 5313.03,4292.53 5457.47,4292.53 P17.23@5500,4250
A1: P17.9 R50.1 R51.2 U3.33 | length 7059.8
  Top Layer1 w10: U3.33@3547.24,2790.16 3548.02,2789.38 3578.56,2789.38 3586.85,2789.38 v1(3725,2790) 3815,2790 3870,2735 4391.14,2735 4396.99,2740.86 4396.99,2944.27 4517.72,3065 5492.44,3065 5542.53,3115.09 5542.53,3507.47 P17.9@5500,3550 ; v1(3675.5,1550) 6325,1550 6400.63,1474.37 R50.1@6400.63,1179.45
  Bottom Layer4 w10: v1(3675.5,1550) 3675,1550.5 3675,2670 3725,2720 v1(3725,2790)
A2: P17.11 R25.2 U3.35 U11.6 | length 4830.9
  Top Layer1 w10: U3.35@3547.24,2770.47 3601.32,2770.47 3608.93,2762.87 3632.13,2762.87 v1(3635,2760) 3637.18,2762.18 3812.82,2762.18 3855,2720 4405.64,2720 4411.49,2725.86 4411.49,2937.56 4523.93,3050 5497.95,3050 5557.03,3109.08 5557.03,3553.12 5504.67,3605.47 5504.67,3645.33 P17.11@5500,3650
  Top Layer1 w17: R25.2@3949.37,1031.97 3950.55,1031.97 3959.18,1040.59 3959.18,1041.78 3979.96,1062.56 4033.63,1062.56 U11.6@4033.86,1062.8
  Bottom Layer4 w10: v1(3635,2760) 3632.13,2757.13 3632.13,2647.13 3625.5,2640.5 3625.5,1414.5 v1(3980,1060)
A3: P17.13 R30.2 U3.37 U14.6 | length 5825.1
  Top Layer1 w10: U3.37@3547.24,2750.79 3548.02,2750.01 3582.62,2750.01 3600.72,2731.91 3658.09,2731.91 v1(3660,2730) 3815,2730 3840,2705 4420.14,2705 4425.99,2710.86 4425.99,2930.85 4530.15,3035 5503.45,3035 5571.53,3103.08 5571.53,3678.47 P17.13@5500,3750 ; v1(3725,1400) 4683.78,1400 5006.97,1076.81 R30.2@5006.97,1075.63
  Bottom Layer4 w10: v1(3660,2730) 3660,2080.47 3650,2070.47 3650,1425 3675,1400 v1(3725,1400)
A4: P17.15 Q6.3 R55.1 U3.41 | length 5577.4
  Top Layer1 w10: v1(2325,2850) 2650,2850 2657.48,2842.52 3280.65,2842.52 3283.94,2845.82 3304,2845.82 3311.67,2853.49 3328.01,2853.49 3345.02,2870.5 v1(3349.08,2870.5) ; v1(3460.9,2710.96) 3461.13,2711.19 3547.02,2711.19 U3.41@3547.24,2711.42 3548.02,2710.64 3629.36,2710.64 3640,2700 3815,2700 3825,2690 4434.64,2690 4440.49,2695.86 4440.49,2924.13 4536.36,3020 5508.96,3020 5586.03,3097.07 5586.03,3724.12 5504.67,3805.47 5504.67,3845.33 P17.15@5500,3850
  Bottom Layer4 w10: v1(3349.08,2870.5) 3405,2814.58 3405,2766.87 v1(3460.9,2710.96)
  Bottom Layer4 w20: R55.1@2099.37,3754.45 2100.55,3754.45 2145.55,3754.45 2325,3575 v1(2325,2850)
  Bottom Layer4 w31.5: R55.1@2099.37,3754.45 2098.19,3754.45 2096.81,3755.83 2096.81,3787.32 2111.06,3801.57 2133.46,3801.57 Q6.3@2137.4,3805.51
A5: P1.2 P17.17 R5.2 U3.43 | length 5967.8
  Top Layer1 w10: v1(1925,2825) 1925.5,2824.5 3283.84,2824.5 3290.16,2830.82 3347.76,2830.82 v1(3349.08,2829.5) ; v1(3445,2670) 3474.53,2670 3496.26,2691.73 3627.76,2691.73 3644.49,2675 4449.14,2675 4454.99,2680.86 4454.99,2917.42 4542.57,3005 5514.46,3005 5600.53,3091.06 5600.53,3849.47 P17.17@5500,3950
  Top Layer1 w50: P1.2@1904.02,3550 1910.98,3543.03 R5.2@2125.63,3543.03
  Bottom Layer4 w10: v1(3349.08,2829.5) 3380,2798.58 3380,2735 v1(3445,2670)
  Bottom Layer4 w20: P1.2@1904.02,3550 1904.02,2845.98 v1(1925,2825)
A6: P17.19 R38.2 R39.1 U3.45 | length 9195.3
  Top Layer1 w10: U3.45@3547.24,2672.05 3548.02,2671.27 3603.73,2671.27 3624.5,2650.5 v1@3710,2650.5 ; v1(3710,2649.5) 3711,2650.5 4454.14,2650.5 4469.49,2665.86 4469.49,2910.71 4548.79,2990 5519.97,2990 5615.03,3085.06 5615.03,3934.97 P17.19@5500,4050 ; v1(3805,1470) 5560.78,1470 R38.2@5628.97,1401.81
  Top Layer1 w20: v1(5625,1445) 5628.97,1441.03 5628.97,1401.81 R38.2@5628.97,1400.63
  Bottom Layer4 w10: v1(3710,2649.5) 3710,2121.15 3700,2111.15 3700,1575 v1(3805,1470)
  Bottom Layer4 w20: P17.19@5500,4050 5575,3975 5575,1495 v1(5625,1445)
A7: P17.21 U3.47 | length 3556.9
  Top Layer1 w10: U3.47@3547.24,2652.36 3597.64,2652.36 3630,2620 4180,2620 4195.5,2635.5 4465.5,2635.5 4483.99,2653.99 4483.99,2903.99 4555,2975 5525.48,2975 5629.53,3079.05 5629.53,4020.47 P17.21@5500,4150
Batt_Curr_Sense: C21.2 Q4.5 Q4.6 Q4.7 Q4.8 Q4.9 R36.2 U14.2
"Battery Water": P2.2 Q6.1 R54.2 | length 276.6
  Bottom Layer4 w31.5: P2.2@1900,3975 1903.73,3975 1910.7,3968.03 R54.2@2099.37,3968.03 2100.55,3968.03 2101.93,3966.65 2101.93,3901.34 Q6.1@2097.76,3897.17
Battery_VCC: C16.1 P15.2 P20.1 Q4.1 Q4.2 Q4.3 R26.2 R44.2 U11.1
  other v1: 6050,1010 6110,1010 6080,1040 6050,1070 6110,1070 6050,1115
"Board Water": Q5.1 R52.2 | length 41001.3
  Top Layer1 w10: 820,5529.5 297.28,5529.5 283,5515.22 283,4320.28 370,4233.28 370,3722.22 283,3635.22 283,302 302,283 2109.64,283 v1(2125.5,296) ; 2125.5,1596 v1(2125.5,296) ; v1@2189.5,1897.86 2200,1908.36 2200,1975.51 2363.34,2138.85 3095,2138.85 ; 5985,5530 6590,5530 6615.36,5504.64 6615.36,463.08 ; 6615,462.71 6615,330 6568,283 2202,283 2189.5,296 v1(2125.5,296)
  Bottom Layer4 w10: 820,5529.5 297.28,5529.5 283,5515.22 283,4320.28 370,4233.28 370,3722.22 283,3635.22 283,302 302,283 2109.64,283 v1(2125.5,296) ; 2125,1595 2100,1620 2100,1800 2120,1820 2138.66,1820 R52.2@2150.63,1831.97 ; 2125.5,1596 v1(2125.5,296) ; v1@2186.9,1897.6 v1(2189.5,1895) 2189.5,1897.86 2200,1908.36 2200,1975.51 2363.34,2138.85 3095,2138.85 ; 5985,5530 6590,5530 6615.36,5504.64 6615.36,463.08 6615,462.71 6615,330 6568,283 2202,283 2189.5,296 v1(2125.5,296)
CS: J8.2 P17.20 U3.48 | length 6252.8
  Top Layer1 w4.5: U3.48@3250,2642.52 3297.52,2642.52 3360,2705 3360,2716.95 3497.48,2854.43 3588.94,2854.43 3723.34,2857.73 cw(c3725,2790) 3730.59,2857.52 3752.02,2855.75 3755.75,2855.75 3925,3025
  Top Layer1 w10: v1(1404.08,2645.5) 1443.68,2605.9 1863.47,2605.9 1900.09,2642.52 U3.48@3250,2642.52 ; 3925,3025 3925,3526.07 4423.93,4025 5370.31,4025 5395.31,4050 P17.20@5400,4050
  Bottom Layer4 w15: J8.2@438.19,3553.54 443.46,3548.27 501.73,3548.27 1404.08,2645.92 v1(1404.08,2645.5)
D2: P17.22 Q3.1 R40.2 U3.42 | length 3830.1
  Top Layer1 w4.5: U3.42@3250,2701.57 3331.9,2701.57 3493.75,2863.43 3585.21,2863.43 3717.7,2867.83 3718.01,2867.96 3895.98,3020.98 3899.87,3020.98 3906.75,3027.86 3906.75,3031.75 3910,3035
  Top Layer1 w10: 3910,3035 3910,3532.28 4417.72,4040 5290,4040 P17.22@5400,4150
  Bottom Layer4 w10: P17.22@5400,4150 5450,4200 5450,4450 5750,4750 v1(5800,4750)
D3: P17.24 U3.40 | length 3067
  Top Layer1 w4.5: U3.40@3250,2721.26 3338.86,2721.26 3490.02,2872.43 3581.48,2872.43 3714.16,2876.83 3892.36,3042.36 3895,3045
  Top Layer1 w10: 3895,3045 3895,3538.49 4411.51,4055 5205,4055 P17.24@5400,4250
D22: D11.2 P17.12 R46.2 U3.62 | length 7533.6
  Top Layer1 w4.5: U3.62@3250,2504.72 3253.53,2508.25 3284.24,2508.25 3290.76,2514.78 3290.76,2580.79 3396,2686.03 3396,2702.04 3512.39,2818.43 3603.85,2818.43 3724.06,2821.74 cw(c3725,2790) 3732.42,2820.87 3737.11,2819.75 3819.75,2819.75 3985,2985
  Top Layer1 w10: v1(3174.06,2520) 3189.33,2504.72 U3.62@3250,2504.72 ; v1(3175,1600) 3275,1500 5850,1500 6125,1225 6176.08,1225 6181.94,1219.14 6181.94,1145.86 6166.24,1130.16 6162.76,1130.16 R46.2@6150.63,1118.03 ; 3985,2985 3985,3501.21 4448.79,3965 5110,3965 5391.01,3683.99 5391.01,3658.99 P17.12@5400,3650
  Bottom Layer4 w10: v1(3174.06,2520) 3175,2519.06 v1(3175,1600)
D23: P17.10 Q5.3 R53.1 U3.64 | length 4835.9
  Top Layer1 w4.5: U3.64@3250,2485.04 3274.73,2485.04 3278.26,2488.57 3284.24,2488.57 3299.76,2504.09 3299.76,2577.06 3405,2682.3 3405,2698.31 3514.8,2808.11 3607.58,2809.43 3724.5,2812.74 cw(c3725,2790) 3734.34,2810.75 3835.75,2810.75 4000,2975
  Top Layer1 w10: v1(2325,2475) 2325.82,2475 2335.86,2485.04 U3.64@3250,2485.04 ; 4000,2975 4000,3495 4455,3950 5025,3950 5391.01,3583.99 5391.01,3558.99 P17.10@5400,3550
  Bottom Layer4 w10: Q5.3@2075,1972.24 2075,1980.12 2081.81,1986.93 2092.01,1986.93 2137.32,2032.24 2137.32,2033.43 2149.45,2045.55 2151.81,2045.55 2325,2218.74 v1(2325,2475)